# Altium PCB DI543.PcbDoc (part 3 of 8)
Units mil, origin at the board's own origin, x right, y up, seen from the top; angles counter-clockwise.
Board outline 8666.42 x 9192.01 mil, 4 copper layers (Top Layer, Mid-Layer 1, Mid-Layer 2, Bottom Layer), stack 35.6 mil thick; 694 components, 500 nets, 2441 pads, 1661 vias.
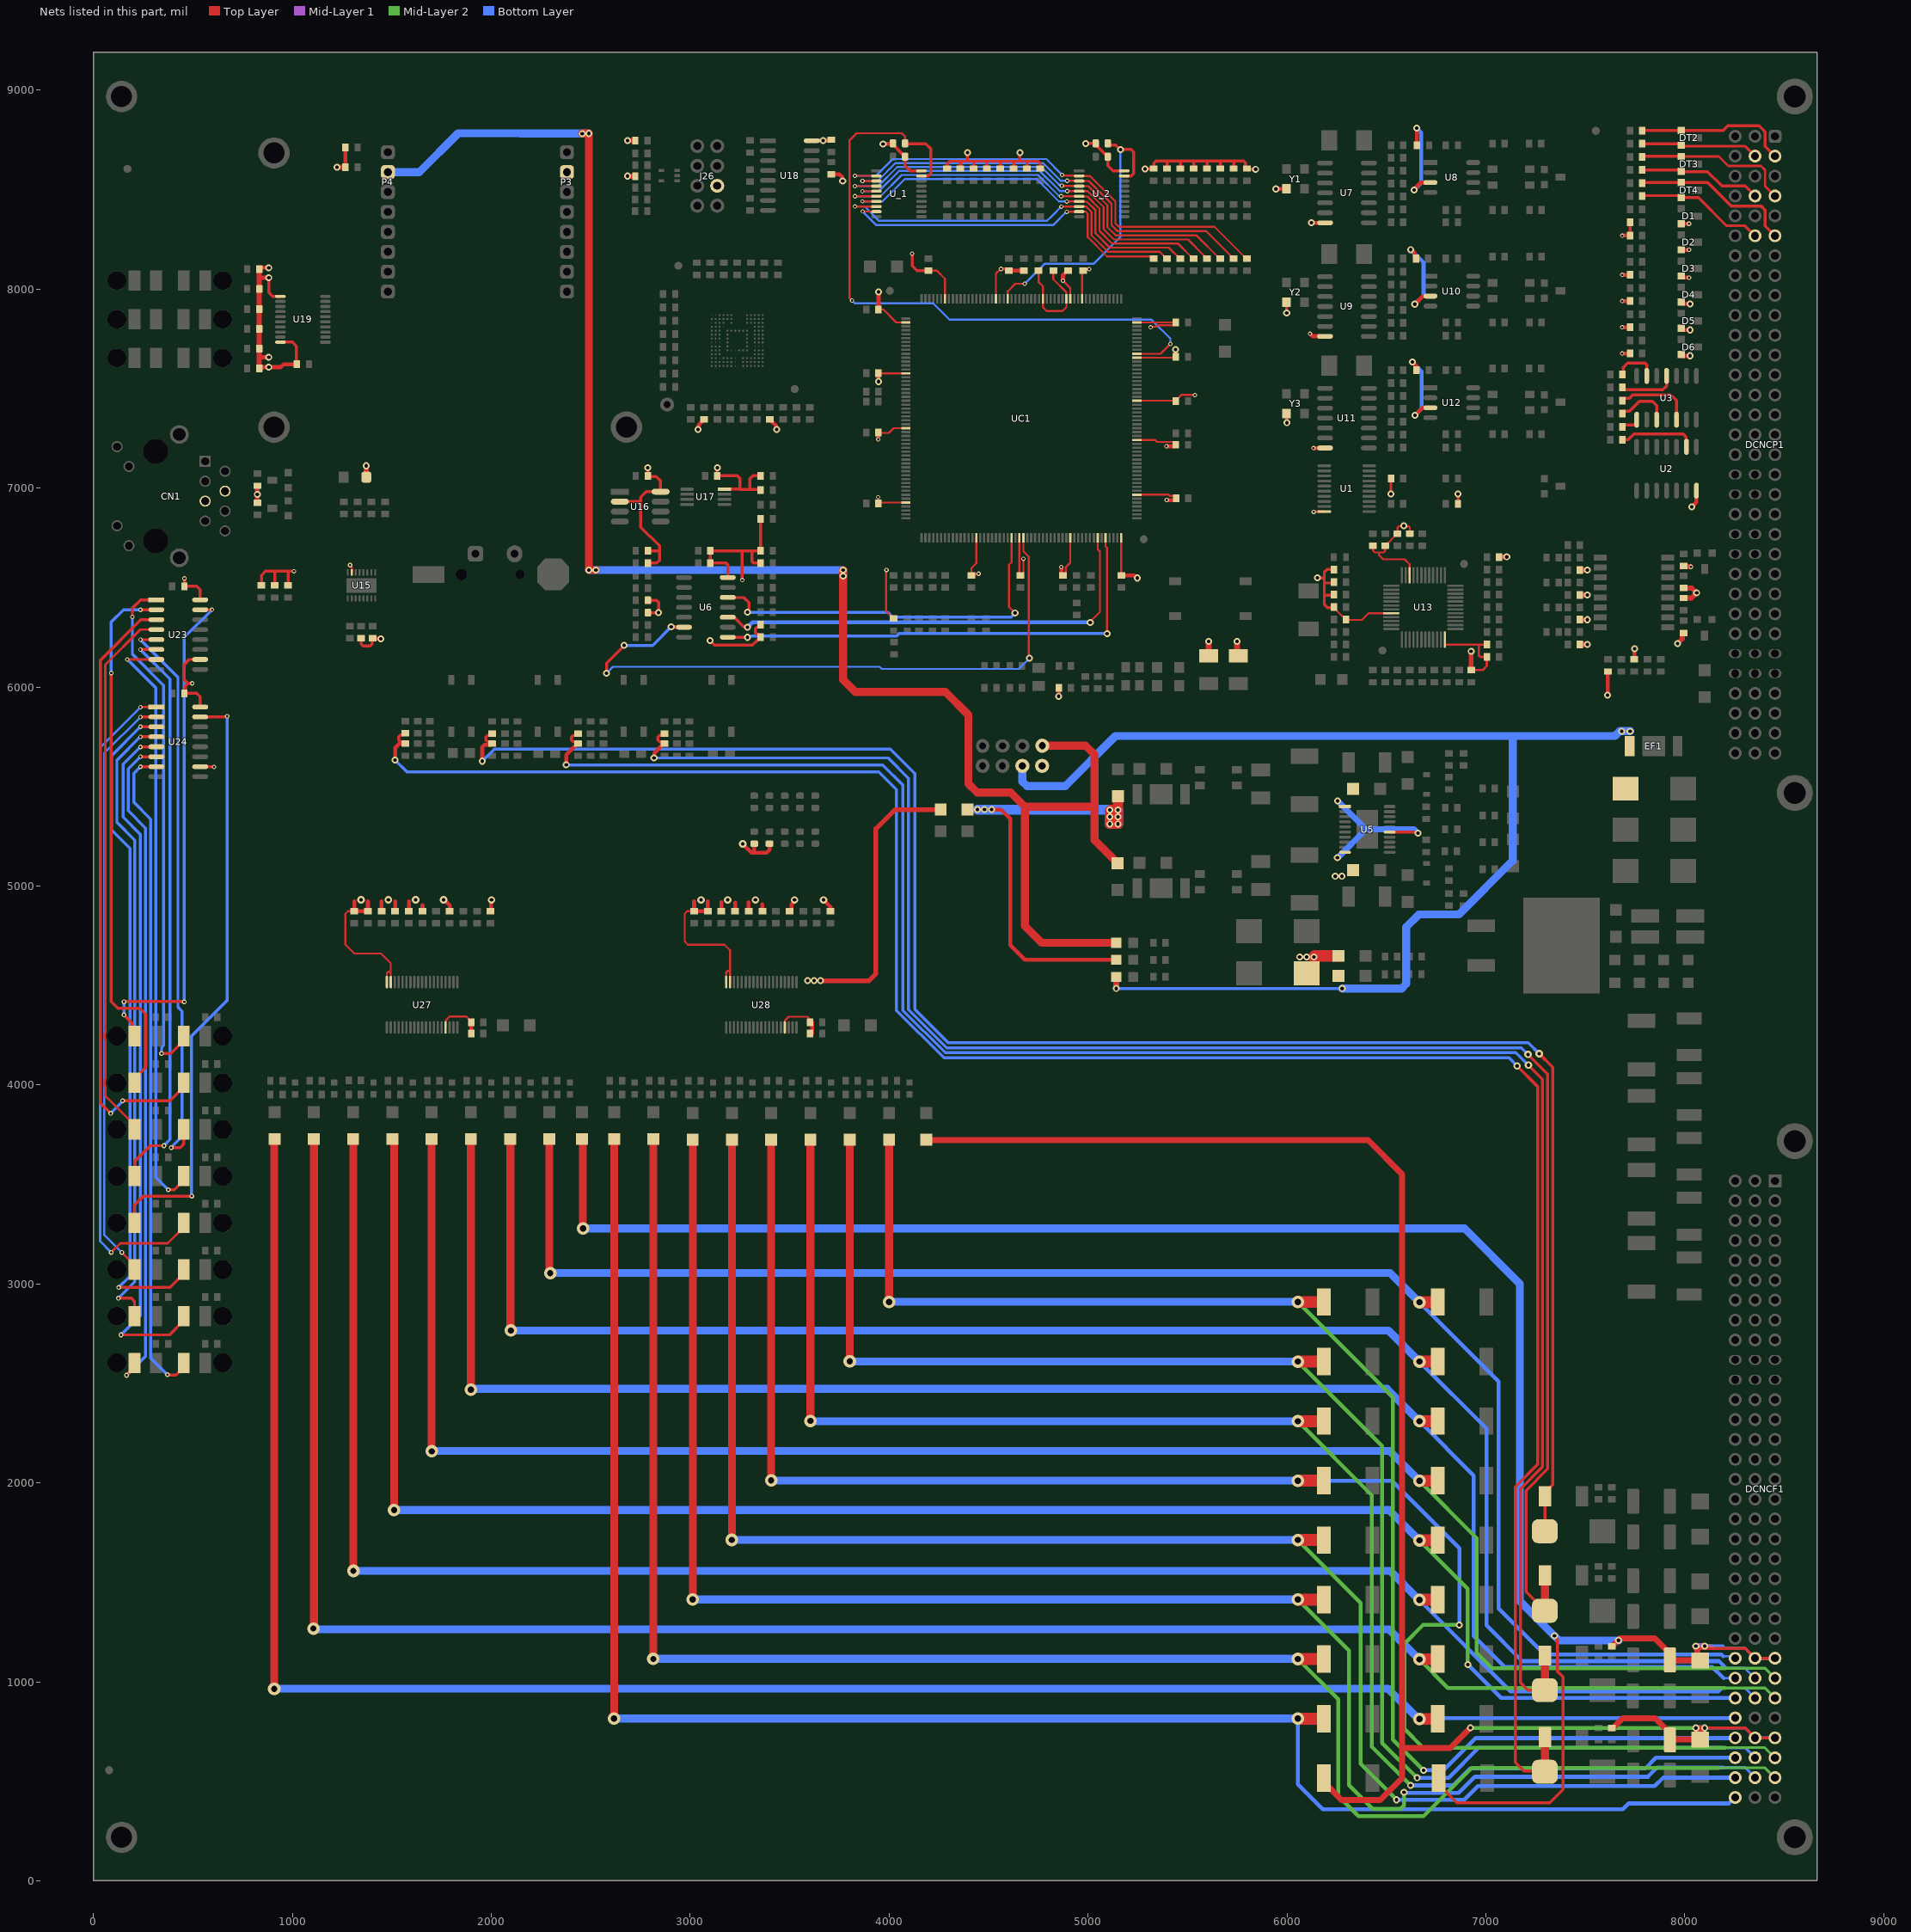
[diagram p5: the nets of this part, all layers, seen from the top]

## Via types
v1: diameter 35, hole 18, Top Layer to Bottom Layer, tented both sides, 586 vias
v2: diameter 32, hole 18, Top Layer to Bottom Layer, tented both sides, 474 vias
v3: diameter 22, hole 12, Top Layer to Bottom Layer, tented both sides, 354 vias
v4: diameter 24, hole 12, Top Layer to Bottom Layer, tented both sides, 80 vias
v5: diameter 38, hole 18, Top Layer to Bottom Layer, tented both sides, 57 vias
v6: diameter 20, hole 12, Top Layer to Bottom Layer, tented both sides, 51 vias
v7: diameter 62.99, hole 31.5, Top Layer to Bottom Layer, tented both sides, 49 vias
v8: diameter 35, hole 19, Top Layer to Bottom Layer, tented both sides, 4 vias
v9: diameter 21, hole 12, Top Layer to Bottom Layer, tented both sides, 3 vias
v10: diameter 35, hole 12, Top Layer to Bottom Layer, tented both sides, 1 vias
v11: diameter 22.01, hole 12, Top Layer to Bottom Layer, tented both sides, 1 vias
v12: diameter 35, hole 22, Top Layer to Bottom Layer, tented both sides, 1 vias

## Nets (pads, with @x,y where several pads share a name; then routed paths per layer and width w, separated by ;. In a path a pad name is that pad's centre, name@x,y a point inside that pad or via, vN(x,y) a via of type N, cw(c..) or ccw(c..) an arc to the next point about the centre after c; other vN are vias at no path point) (continued)
+3.3V: C8.1 C9.1 C14.2 C15.2 C16.2 C17.2 C18.2 C19.2 C20.2 C21.2 C22.2 C25.2 C26.2 C27.2 C28.2 C29.2 C30.2 C31.2 C32.2 C33.2 C34.2 C39.2 C80.2 C81.2 C82.2 C83.2 C84.2 C96.2 C97.1 C99.2 C101.1 C103.2 C123.2 C125.2 C163.1 C164.1 C165.1 C166.1 C167.2 C168.1 C169.2 C170.2 C183.2 C184.2 C185.2 CN1.4 CN1.5 D1.2 D2.2 D3.2 D4.2 D5.2 D6.2 D14.A D17.A J26.6 L1.1 P3.3 R26.1 R27.1 R35.1 R37.1 R50.1 R51.1 R53.2 R55.2 R57.1 R58.2 R59.2 R60.2 R61.2 R62.2 R63.2 R98.2 R99.2 R100.2 R101.2 R102.2 R103.2 R115.2 R116.2 R117.1 R118.2 R119.2 R120.2 R121.1 R124.2 R125.2 R126.2 R127.2 R137.2 R138.2 R139.2 R140.2 R141.2 R142.2 R143.2 R144.2 R145.2 R146.2 R147.2 R148.2 R149.2 R150.2 R151.2 R152.2 R153.2 R154.2 R155.2 R156.2 R157.2 R158.2 R159.1 R160.1 R162.1 R163.1 R164.2 R165.2 R171.2 R172.2 R175.1 R181.1 R184.2 R185.2 R186.2 R200.1 R216.1 R279.1 R309.2 TP2.1 U1.20 U2.14 U6.14 U7.14 U8.3 U9.14 U10.3 U11.14 U12.3 U13.22 U13.32 U13.48 U15.15 U16.2 U16.8 U17.8 U18.16 U19.11 U19.20 U23.10 U23.16 U24.10 U24.16 U_1.20 U_2.20 UC1.15 UC1.26 UC1.39 UC1.52 UC1.59 UC1.73 UC1.83 UC1.94 UC1.103 UC1.115 UC1.118 UC1.137 UC1.150 UC1.158 UC1.171 UC1.185 UC1.204 Y1.4 Y2.4 Y3.4 | length 20206.3
  Top Layer w10: v3(1290.35,6613.19) 1290.35,6609.94 1298.6,6601.69 U15.15@1298.6,6575.75 ; C15.2@3946.43,6924.16 3945,6925.59 3945,6953.46 v6@3946.43,6954.88 ; C17.2@3946.43,7579 3948,7577.43 3948.31,7577.11 UC1.171@4084.48,7577.11 ; C31.2@3947,7897.57 3947.14,7897.43 3971.57,7897.43 4035.98,7833.02 UC1.158@4084.48,7833.02 ; C14.2@3948.95,7278 3999,7278 4022.52,7301.52 UC1.185@4084.48,7301.52 ; C15.2@3953.59,6927.51 UC1.204@4084.48,6927.51 ; v3(3987.2,6589.16) 3985.24,6587.19 3985.24,6381.04 4021.49,6344.78 R55.2@4023.02,6344.78 R55.2@4024.99,6344.78 ; C30.2@4201,8092.7 4241.3,8092.7 4281.33,8052.67 UC1.150@4281.33,7951.13 ; 4358.73,8639.99 4362,8643.25 ; C18.2@4414.5,6561 4414,6561.5 4414,6598 4438.81,6622.81 UC1.15@4438.81,6750.34 ; 4425,8643.25 4425.62,8642.63 ; 4491,8643.25 4492.51,8641.74 ; UC1.137@4537.24,7951.13 4537.24,8078.94 4560.29,8102 v3(4563,8102) ; 4557,8643.25 4559.4,8640.85 ; C33.2@4596.4,8092.7 C33.2@4602.4,8092.7 ; 4626,8643.25 4626.29,8642.96 ; UC1.26@4655.35,6750.34 4655.35,6561.65 4655.67,6561.33 4656,6561 C22.2@4659.5,6561 ; C22.2@4660.92,6561 4664.23,6561 4675.23,6572 v3(4675.23,6645.29) ; 4692,8643.25 4693.18,8642.07 ; v3(4874.02,8042.32) 4874.68,8042.32 4911.25,8005.75 UC1.118@4911.25,7951.13 ; C20.2@4883.47,6566.97 4887.7,6571.2 4887.7,6601.7 4911.25,6625.25 UC1.39@4911.25,6750.34 ; UC1.115@4970.31,7951.13 C32.2@4970.31,8091.4 ; UC1.52@5167.16,6750.34 5167.16,6562.92 C19.2@5169.08,6561 ; UC1.59@5245.9,6966.88 5405.12,6966.88 5411,6961 5432,6961 5443,6950 C27.2@5443,6949 C27.2@5434,6940 ; UC1.73@5245.9,7242.47 5337.53,7242.47 5347.57,7232.43 5430.83,7232.43 5441.83,7221.43 C28.2@5441.83,7219 ; UC1.83@5245.9,7439.32 5439.68,7439.32 C25.2@5442,7437 ; UC1.94@5245.9,7655.85 5440.45,7655.85 C26.2@5441.83,7657.23 ; UC1.103@5245.9,7833.02 5412.42,7833.02 ; v3(5314.96,7808.37) 5317.26,7810.67 5326.04,7810.67 5327.04,7811.67 5342.5,7811.67 5349.47,7818.64 5436.95,7818.64 C29.2@5438.74,7820.42 ; 5412.42,7833.14 C29.2@5441.83,7833.14 ; C25.2@5442,7440.5 5470.87,7469.37 5535.49,7469.37 v3(5537.09,7467.78) ; 6185.53,6549.21 6187.99,6551.67 ; 6187.99,6460.63 6188.9,6461.54 ; 6187.99,6525.59 6190.07,6523.52 ; R117.1@6236.23,6396.06 R117.1@6236.23,6399.56 ; R117.1@6237.49,6397.32 6283.73,6351.08 6287.23,6351.08 6297.23,6341.08 C84.2@6297.23,6340.08 6297.23,6337.58 6376.66,6337.58 6410.19,6371.11 U13.32@6524.4,6371.11 ; C83.2@6433.76,6709.1 6433.76,6685.33 6441.93,6677.17 6464.07,6677.17 ; U13.22@6616.92,6562.05 6616.92,6617.33 6591.54,6642.72 6484.25,6642.72 6464.07,6662.89 6464.07,6677.17 ; R120.2@6618.1,6771.48 6618.1,6802.17 6612.24,6808.03 6590.1,6808.03 v1(6587.11,6811.02) 6584.42,6808.33 6562.06,6808.33 6556.2,6802.48 R119.2@6556.2,6771.48 6552.7,6771.48 6541.7,6760.48 6541.7,6757.88 6508.79,6724.98 6508.79,6721.48 6497.79,6710.48 C81.2@6494.29,6710.48 6494.29,6685.24 6486.22,6677.17 6464.07,6677.17
  Top Layer w11.81: R58.2@7719.88,7682.12 R58.2@7725,7677
  Top Layer w12: v3@6133.12,6881.82 6133.34,6882.05 6187.78,6882.05 U1.20@6188,6882.27 ; v1(6522.64,6971.28) 6523.32,6971.96 6523.32,7047.7 C34.2@6524,7048.38 ; U13.48@6798.23,6213.62 C80.2@7005.27,6213.62 ; C82.2@6926.18,6086.92 C82.2@6927.62,6085.48 6984.1,6085.48 7004.92,6106.3 7004.92,6151.29 6972.73,6151.29 6964.57,6159.45 6964.57,6213.58 ; R98.2@7473.25,6595.25 R98.2@7478.84,6600.84
  Top Layer w15: C125.2@457.24,6507.19 519.77,6507.19 536.78,6490.18 U23.16@536.78,6441.47 ; C125.2@457.24,6510.69 457.46,6510.91 457.46,6546.04 v3(457.68,6546.26) ; 475.25,6017.66 462.75,6005.16 462.75,5974.1 C123.2@457.24,5968.59 519.77,5968.59 536.78,5951.58 U24.16@536.78,5902.87 ; v3(497,6019) 475,6019 457.24,6036.76 457.24,6114.72 481.37,6138.85 U23.10@536.78,6138.85 ; U24.10@536.78,5600.13 537.35,5599.57 606.43,5599.57 v3(607,5599) ; R184.2@844.52,6511.19 844.52,6562.04 865.16,6582.68 911.42,6582.68 ; v1(881.75,8058.03) 881.75,7984.25 901.87,7964.13 U19.11@940,7964.13 ; R185.2@911.42,6511.19 911.42,6582.68 ; U19.20@940,7733.82 1000.18,7733.82 1021,7713 C103.2@1021,7632 ; R186.2@978.83,6511.19 978.83,6582.68 ; v3(1007.87,6582.68) 978.83,6582.68 ; R50.1@1346.06,6245.4 1346.46,6245 1346.46,6214.99 1355.24,6206.2 1390.82,6206.2 1399.61,6214.99 1399.61,6240.4 R51.1@1403.95,6244.75 ; v1@1371.06,7111.22 v1@1371.63,7110.65 ; D14.A@1371.63,7055.63 D14.A@1372.2,7055.06 ; U16.2@2645.33,6931.27 U16.2@2646.48,6932.43 2751.33,6932.43 2751.97,6933.07 ; v1(2684.85,8568.9) v1@2685.57,8568.18 ; R164.2@2723.21,8568.18 R164.2@2723.92,8567.47 ; C168.1@2778.7,6424.44 2787.2,6432.94 C168.1@2787.2,6436.44 2831.28,6436.44 2841.54,6426.18 v1(2841.54,6374.02) 2841.36,6374.19 2787.38,6374.19 R279.1@2787.2,6374.36 ; R181.1@2787.2,6622.67 2788.55,6624.02 2831.69,6624.02 2845.47,6637.8 2845.47,6684.06 ; C165.1@2787.2,6684.74 2844.78,6684.74 2845.47,6684.06 ; v1(2787.4,7102.36) 2787.3,7102.26 2787.3,7061.59 2789.83,7059.06 2828.74,7059.06 2851.48,7036.31 U16.8@2851.48,6982.43 2779.67,6982.43 2751.97,6954.72 2751.97,6933.07 ; v1(3099.41,6233.27) 3122.05,6210.63 3312.85,6210.63 3342.43,6240.21 3345.93,6240.21 3354.43,6248.71 C164.1@3354.43,6252.21 3354.43,6255.71 3345.93,6264.21 3336.3,6264.21 3327.51,6273 3327.51,6293.21 3336.3,6302 3345.93,6302 3354.43,6310.5 R200.1@3354.43,6314 ; v1@3134.84,7099.91 3136.68,7098.08 3136.68,7063.52 3134.84,7061.68 C97.1@3136.6,7061.68 3237.53,7061.68 3251.22,7047.99 3251.22,6994.79 ; U17.8@3172.48,6994.79 3251.22,6994.79 ; U6.14@3188.98,6550.98 3188.98,6614.17 3180.19,6622.95 3101.38,6622.95 3101.38,6684.74 3261.81,6684.74 ; 3251.22,6994.41 3300.81,6994.41 ; 3251.41,6994.79 3251.22,6994.79 ; 3251.59,6995.16 3251.22,6994.79 ; v3(3261.81,6538) 3261.81,6684.74 ; R26.1@3349.41,6995.4 3350.39,6994.41 3300.81,6994.41 ; R216.1@3354.43,6622.95 3318.83,6622.95 3310.04,6631.74 3310.04,6682.83 3308.12,6684.74 ; R53.2@3354.43,6844.97 C163.1@3354.43,6684.74 3308.12,6684.74 ; R27.1@3354.43,7061.68 3315.62,7061.68 3300.81,7046.87 3300.81,6994.41 ; C31.2@3947,7897.57 C31.2@3947.21,7897.79 ; R138.2@4018.44,8731.4 R138.2@4018.44,8730.04 ; R138.2@4019.66,8730.04 R138.2@4018.44,8730.04 ; v3(4116,8179) 4116,8117 4140.3,8092.7 C30.2@4198.05,8092.7 C30.2@4201,8092.7 ; U_1.20@4162.8,8594.92 4106.87,8594.92 4080.44,8621.36 4080.44,8669.48 4071.94,8677.98 4068.35,8677.98 4018.44,8727.9 R138.2@4018.44,8730.04 ; R137.2@4291.84,8606.54 4291.84,8629.21 4305.88,8643.25 4362,8643.25 4394.29,8643.25 ; v1(4394.46,8686.63) 4394.29,8686.47 4394.29,8643.25 ; C18.2@4414.5,6561 4423,6569.5 4423.71,6568.79 4448.68,6568.79 v3(4450.02,6570.13) ; R140.2@4425.62,8606.54 4425.62,8642.63 ; R141.2@4492.51,8606.54 4492.51,8641.74 ; R142.2@4559.4,8606.54 4559.4,8640.85 ; v3(4563,8102) 4563.96,8101.04 4590.4,8101.04 4596.4,8095.04 C33.2@4596.4,8092.7 ; R143.2@4626.29,8606.54 4626.29,8642.96 ; v1(4657.5,8686.63) 4657.33,8686.47 4657.33,8643.25 ; R144.2@4693.18,8606.54 4693.18,8642.07 ; R145.2@4760.07,8606.54 4760.07,8630.93 4747.75,8643.25 4692,8643.25 4657.33,8643.25 ; v1@4853,5950 v1(4853,5953.86) ; v3(4865,6604) v3@4865.96,6603.04 ; C20.2@4865.96,6569.5 4869.98,6565.48 C20.2@4877.36,6565.48 ; C16.2@4887.2,8084.2 4891.98,8084.2 C16.2@4900.48,8092.7 ; C32.2@4975,8092.7 4982.34,8100.04 5005.14,8100.04 v3(5006.48,8101.38) ; v1@4989.84,8732.84 R147.2@5038.48,8732.84 ; R147.2@5039.35,8729.69 5047.14,8721.9 5047.14,8718.4 5087.56,8677.98 5091.14,8677.98 5099.64,8669.48 C170.2@5099.64,8665.98 5099.64,8621.36 5126.08,8594.92 U_2.20@5182,8594.92 ; v1(5287,8604) 5287.96,8604.96 5329.46,8604.96 R146.2@5331.05,8606.54 5331.05,8633.05 5342,8644 5395,8644 ; R148.2@5397.94,8606.54 5397.94,8641.06 5395,8644 ; R149.2@5464.83,8606.54 5464.83,8641.83 5467,8644 ; R150.2@5531.72,8606.54 5531.72,8643.28 5531,8644 ; R151.2@5598.61,8606.54 5598.61,8643.61 5599,8644 ; R152.2@5665.5,8606.54 5665.5,8643.5 5665,8644 ; R153.2@5732.39,8606.54 5732.39,8639.11 ; v1(5843,8603) 5802.82,8603 R154.2@5799.28,8606.54 5799.13,8606.54 5790.63,8615.04 5790.63,8635.21 5781.84,8644 5665,8644 ; Y3.4@5998.76,7374.94 5999.38,7374.32 5999.38,7329.38 v1(6000,7328.76) ; Y2.4@5998.76,7934.53 Y2.4@5998.76,7934.53 5998.82,7880.99 v1(5998.88,7880.93) ; v1(6153.54,6549.21) 6185.53,6549.21 ; 6188.9,6461.54 R115.2@6236.23,6461.54 ; 6190.07,6523.52 R116.2@6236.23,6523.52 ; R117.1@6236.23,6399.56 6204.77,6399.56 6187.99,6416.34 6187.99,6460.63 6187.99,6525.59 6187.99,6551.67 6187.99,6577.76 6201.57,6591.34 R118.2@6236.23,6591.34 ; R57.1@6859.25,6932.52 6860.12,6933.38 6860.12,6971.16 v1(6860.24,6971.28) ; R121.1@7066.27,6654.15 R121.1@7066.46,6654.34 ; v1@7105.13,6654.34 v1(7105.32,6654.53) ; R100.2@7473.25,6339.03 R100.2@7473.47,6338.8 ; v1@7509.62,6338.8 v1(7509.84,6338.58) ; R62.2@7725,8270.21 R63.2@7725,8336.12 ; D4.2@7982.44,7934.99 D4.2@7992.08,7925.36 ; D3.2@7982.44,8066.4 D3.2@7989.44,8059.41 ; R124.2@7995.05,6608.49 R124.2@7998.25,6605.29 ; v3@8021.3,8059.41 v3@8022.64,8058.07 ; v3@8030.54,6605.29 v3(8031.5,6604.33) ; 911.42,6582.68 978.83,6582.68 ; 2751.97,6933.07 2751.97,6803.15 2845.47,6709.65 2845.47,6684.06 ; 3261.81,6684.74 3308.12,6684.74 ; 4394.29,8643.25 4425,8643.25 4491,8643.25 4557,8643.25 4626,8643.25 4657.33,8643.25 ; 5395,8644 5467,8644 ; 5467,8644 5531,8644 ; 5531,8644 5599,8644 ; 5599,8644 5665,8644
  Top Layer w20: R160.1@833.79,7608.13 v1@881.44,7608.13 ; 833.79,7658.08 v1@881.44,7658.08 ; 833.79,8057.73 v1@881.44,8057.73 ; R155.2@833.79,8107.68 v1@881.44,8107.68 ; v1(881.75,7608.43) 942.43,7608.43 956.39,7622.39 C103.2@1022.84,7622.39 ; v1(1224.55,8612.96) v1@1224.59,8612.92 ; R37.1@1266.84,8612.92 R37.1@1267.07,8612.69 ; R37.1@1267.27,8612.89 R35.1@1267.27,8712.48 ; R51.1@1403.95,6244.75 1404.34,6244.36 1442.62,6244.36 v1(1445.08,6241.9) ; v1(3039.37,7294.8) 3042.24,7297.67 3042.24,7317.56 3060.3,7335.62 3060.3,7339.12 3066.3,7345.12 R163.1@3069.8,7345.12 ; R162.1@3401.45,7345.12 3404.95,7345.12 3410.95,7339.12 3410.95,7335.62 3432.17,7314.4 3432.17,7297.67 v1(3435.04,7294.8) ; U18.16@3611.19,8746.51 3611.73,8747.05 v1(3668.31,8747.05) 3698.98,8747.05 3708.06,8756.13 C99.2@3708.06,8757.53 ; C101.1@3708.48,8578.01 3709.22,8577.27 3750.68,8577.27 3763.86,8564.08 3763.86,8546.4 v1(3766.73,8543.53) ; v3@3945.87,7243.9 v3(3945.87,7244.88) C14.2@3945.87,7278.44 ; v1(3946.62,7535.66) 3946.53,7535.76 3946.53,7575.95 C17.2@3948,7577.43 ; v1(3947,7986) 3947,7898 C31.2@3947.21,7897.79 ; v1(3969.96,8730.04) R138.2@4018.44,8730.04 ; R139.2@4358.73,8606.54 4358.73,8639.99 ; v1@4512,5384 v1(4515,5384) 4563,5384 4609,5338 4609,4703 4682.66,4629.34 D17.A@5142.27,4629.34 ; C33.2@4602.4,8092.7 C21.2@4666.64,8092.7 ; v1(4853,5953.86) L1.1@4853.03,5995.03 ; C20.2@4865.96,6569.5 v3@4865.96,6603.04 ; v3(4874.02,8042.32) 4874.4,8042.71 4874.4,8071.4 C16.2@4887.2,8084.2 ; C19.2@5171.28,6561 5231.2,6561 5243.97,6548.23 v1(5248.03,6548.23) ; v3(5394.32,7210.06) 5394.71,7210.44 5435.83,7210.44 5441.83,7216.44 C28.2@5441.83,7218 ; v3(5396,6940) C27.2@5434,6940 ; v1(5440.37,7696.45) v1@5441.1,7695.71 ; C26.2@5441.1,7661.49 C26.2@5441.41,7661.17 ; C26.2@5441.1,7663.46 v1@5441.1,7695.71 ; v1@5441.1,7697.68 v1@5441.1,7695.71 ; C9.1@5604.7,6179.97 C9.1@5607,6182.27 ; v1(5749.66,6230.32) v1@5749.66,6233.91 ; v1(5944.88,8503.94) 5945.15,8504.2 5998.49,8504.2 Y1.4@5998.76,8504.46 ; v3(6116,7776) 6128.23,7763.77 6165.73,7763.77 U9.14@6166.31,7763.19 ; v1@6123.16,8334 U7.14@6168,8334 ; v3(6133.23,7201.23) 6163.35,7201.23 U11.14@6163.62,7201.5 ; v1(6622,8199) 6626.06,8199 6642.74,8182.32 6642.74,8159.83 C184.2@6648.74,8153.83 ; v1(6631,7633.5) 6631.5,7633.5 6648,7617 6648,7597 C185.2@6652,7593 ; v1(6639,8498) 6639,8501 6673.42,8535.42 6732.42,8535.42 U8.3@6733.19,8536.19 ; v1(6643,7925) 6682.42,7964.42 6729.94,7964.42 U10.3@6730.98,7965.46 ; v1(6644,7366) 6681.42,7403.42 6732.46,7403.42 U12.3@6733.19,7404.15 ; v1(6653,8809) 6653.61,8808.39 6653.61,8724.83 C183.2@6654.21,8724.22 ; v1@7613.46,5959 R172.2@7613.46,6077.98 ; v3(7685.31,7676.63) R58.2@7725.03,7676.63 ; v3(7685.31,7808.45) R59.2@7725.03,7808.45 ; v3(7685.31,7940.28) R60.2@7725.03,7940.28 ; v3(7685.31,8072.1) R61.2@7725.03,8072.1 ; v3@7685.31,8269.84 R62.2@7725.03,8269.84 ; R171.2@7746.46,6139.46 7747.43,6140.42 7747.43,6191.64 v1(7748.4,6192.6) ; D6.2@7982.44,7664.18 7982.56,7664.29 v1@8032.56,7664.29 ; D2.2@7982.44,8197.81 v3@8021.52,8197.81 ; D1.2@7982.44,8329.22 v3@8021.52,8329.22 ; D5.2@7983.98,7795.28 v1(8026.58,7795.28) v1@8028.54,7795.28 ; D3.2@7989.44,8058.43 v3@8021.3,8058.43 ; D4.2@7993.98,7927.25 8033.38,7927.25 v1@8034.45,7926.18 ; v1(8035.43,6906.5) 8035.84,6906.5 8058.79,6929.44 U2.14@8058.79,6987.44
  Top Layer w25: R102.2@824,6927 v1(824,6968.95) R103.2@824,6999.21 ; R160.1@833.79,7608.13 833.79,7658.08 R159.1@833.79,7701.04 R158.2@833.79,7800.95 R157.2@833.79,7900.86 R156.2@833.79,8000.77 833.79,8057.73 R155.2@833.79,8100.68 R155.2@833.79,8107.68 ; v1@1224.59,8612.92 R37.1@1266.84,8612.92 ; D14.A@1371.63,7055.63 v1@1371.63,7110.65 ; v1(2684.85,8747.05) R165.2@2723.89,8747.05 ; v1@2685.57,8568.18 R164.2@2723.21,8568.18 ; C82.2@6926.18,6086.92 v1(6926.18,6180.12) ; R121.1@7066.46,6654.34 v1@7105.13,6654.34 ; R101.2@7473.27,6214.57 v1(7509.84,6214.57) ; R99.2@7473.25,6463.6 v1(7509.84,6463.58) ; R98.2@7473.25,6588.17 v1(7509.84,6588.15) ; R100.2@7473.47,6338.8 v1@7509.62,6338.8 ; v1(7963.58,6218.5) 7988.1,6243.02 7988.1,6269.05 7991.6,6272.55 R127.2@7995.1,6272.55 ; R126.2@7995.1,6447.7 8034.32,6447.7 v1(8060.04,6473.43) 8035.47,6498 R125.2@7995.1,6497.96 R125.2@7995.1,6497.96 ; R124.2@7998.25,6605.29 v3@8030.54,6605.29
  Top Layer w30: C9.1@5607,6182.27 v1(5607,6230.32) ; v1(5749.66,6230.32) 5750.08,6229.89 C8.1@5750.08,6162.4
  Top Layer w50: v1(5109,5312) v1(5109,5347.5) v1@5109,5377 ; v1@5115.5,5312 v1(5151,5312) v1(5151,5347.5) 5151,5377 5150.63,5377.37 5150.63,5451.51 R309.2@5150.27,5451.88 ; v1@5115.5,5383 v1(5151,5383)
  Bottom Layer w20: v1(6622,8199) 6687,8134 6687,7969 v1(6643,7925) ; v1(6631,7633.5) 6678,7586.5 6678,7400 v1(6644,7366) ; v1(6639,8498) 6674.5,8533.5 6674.5,8787.5 v1(6653,8809)
  Bottom Layer w50: v1@4446,5384 v1(4479.5,5384) v1(4515,5384) ; v1@4515,5383 v1(5151,5383) v1@5115.5,5383 ; v1(5109,5312) v1(5109,5347.5) v1@5109,5377 ; v1@5115.5,5312 v1(5151,5312) v1(5151,5347.5) v1@5151,5377
  other v1: 5109,5383 4444,5384 7612.5,5959 3136.76,7102.36 1371.06,7112.2 881.75,7658.38 8026.58,7665.35 8026.58,7926.18 881.75,8107.98 6123,8334.16 4989,8732
  other v3: 6135.08,6880.84 8021.52,8058.07 8021.52,8197.65 7685.31,8268.86 8021.52,8329.06
  other v6: 3945,6955
+3.3V-F: C135.2 C136.2 C137.2 C138.2 R175.2 R222.1 R223.1 R224.1 R225.1 R227.1 R229.1 R230.1 R231.1 R249.1 R251.1 R252.1 R254.1 R256.1 R257.1 U27.37 U27.38 U28.37 U28.38 | length 3870.4
  Top Layer w9.84: C135.2@1311.62,4873.61 1279.61,4873.61 1267,4861 1267,4706 1312,4661 1446,4661 1495.08,4611.92 1495.08,4569 ; U27.38@1475.39,4517.67 1475.39,4563.23 1481.16,4569 1495.08,4569 ; U27.37@1495.08,4517.67 1495.08,4569 ; C137.2@3016.8,4873.61 2984.79,4873.61 2972.18,4861 2972.18,4722 2989.18,4705 3172.18,4705 3200.26,4676.92 3200.26,4573 ; U28.38@3180.58,4517.67 3180.58,4567.23 3186.34,4573 3200.26,4573 ; U28.37@3200.26,4517.67 3200.26,4573
  Top Layer w19.68: 1311.62,4922.84 C135.2@1311.62,4873.61 C136.2@1380.12,4873.61 1380.12,4922.84 ; R222.1@1448.62,4873.61 1448.62,4922.84 ; R230.1@1517.12,4873.61 1517.12,4922.84 ; R224.1@1585.62,4873.61 1585.62,4922.84 ; R229.1@1654.6,4874.09 1654.6,4903 ; v5@1760.67,4933.11 1791.12,4902.67 R225.1@1791.12,4873.47 ; R227.1@1999.9,4873.61 v5@1999.9,4930.22 ; 3020.28,4923.34 C137.2@3020.28,4873.47 C138.2@3088.78,4873.47 3088.78,4923.34 ; R249.1@3157.28,4873.47 3157.28,4918.34 ; R257.1@3225.78,4873.47 3225.78,4917.8 ; v5(3264,5212) 3308,5168 3321,5168 ; R251.1@3294.28,4873.47 3294.28,4918.02 ; R231.1@3322.12,5212.88 3322.12,5169.12 3321,5168 ; R256.1@3363.26,4873.96 3363.26,4909 ; R223.1@3398.87,5212.88 3398.87,5181.87 3385,5168 3321,5168 ; R252.1@3500.08,4873.61 3503.42,4873.61 3509.44,4879.63 3509.44,4908.58 3524.9,4924.04 v5@3524.9,4929 ; v5(3671,4930.22) 3705.28,4895.94 R254.1@3705.28,4873.47
  Top Layer w23.62: v1(3656,4524.31) 3899.31,4524.31 3934,4559 3934,5288 4030.52,5384.52 R175.2@4259.57,5384.52
  other v1: 3590,4524.31 3623,4524.31
  other v5: 1345.74,4930.36 1482.54,4930.36 1619.74,4930.36 1760.67,4930.36 2001,4930.22 3054.4,4930.22 3188.4,4930.22 3328.4,4930.22 3524.9,4930.22
+5V: D53.A P4.3 R313.2 TP4.1 | length 8922.1
  Top Layer w40: v1(2457.57,8782.28) 2457.78,8782.48 v1(2491.14,8782.48) 2491.14,8753.94 v1@2491.14,6590.55 ; v1(2491.14,6588.25) v1@2491.14,6589.57 ; v1@2492.13,6588.58 2492.46,6588.25 v1(2526.57,6588.25) ; v1(3769,6588.11) v1(3769,6558) 3769,6037 3830.61,5975.39 4283.61,5975.39 4398.62,5860.38 4398.62,5514.76 4442.91,5470.47 4611.53,5470.47 4683,5399 ; TP4.1@4761.31,5706 4988,5706 5033,5661 5033,5399 ; D53.A@5142.27,4715 4767,4715 4683,4799 4683,5399 ; R313.2@5149.27,5114.84 5033,5231.11 5033,5399 ; 4683,5399 5033,5399
  Bottom Layer w39.37: v1(3769,6558) v1(3769,6588.11)
  Bottom Layer w40: P4.3@1480.42,8588.48 1638.68,8588.48 1833.66,8783.46 2145.02,8783.46 2146.21,8782.28 v1(2457.57,8782.28) 2457.78,8782.48 v1(2491.14,8782.48) ; v1(2491.14,6588.25) v1(2526.57,6588.25) 3768.86,6588.25 v1(3769,6588.11)
+20V: C174.1 C175.1 C176.1 R305.2 U5.1 U5.10 U5.15 | length 945.1
  Top Layer w15: U5.15@6516.41,5271.68 6640.35,5271.68 6642.45,5269.58 6655.31,5269.58 v1(6659.14,5265.75)
  Top Layer w30: R305.2@6259.64,4648.96 R305.2@6259.64,4648.96
  Top Layer w60: v1(6136,4644) 6141,4649 R305.2@6259.64,4648.96
  Bottom Layer w30: v1(6254,5143) 6256,5143 6398,5285 ; v1@6255,5428 6398,5285 ; v1(6659.14,5265.75) 6639.89,5285 6398,5285